# Allegro board com_v1_p3.brd (continued)
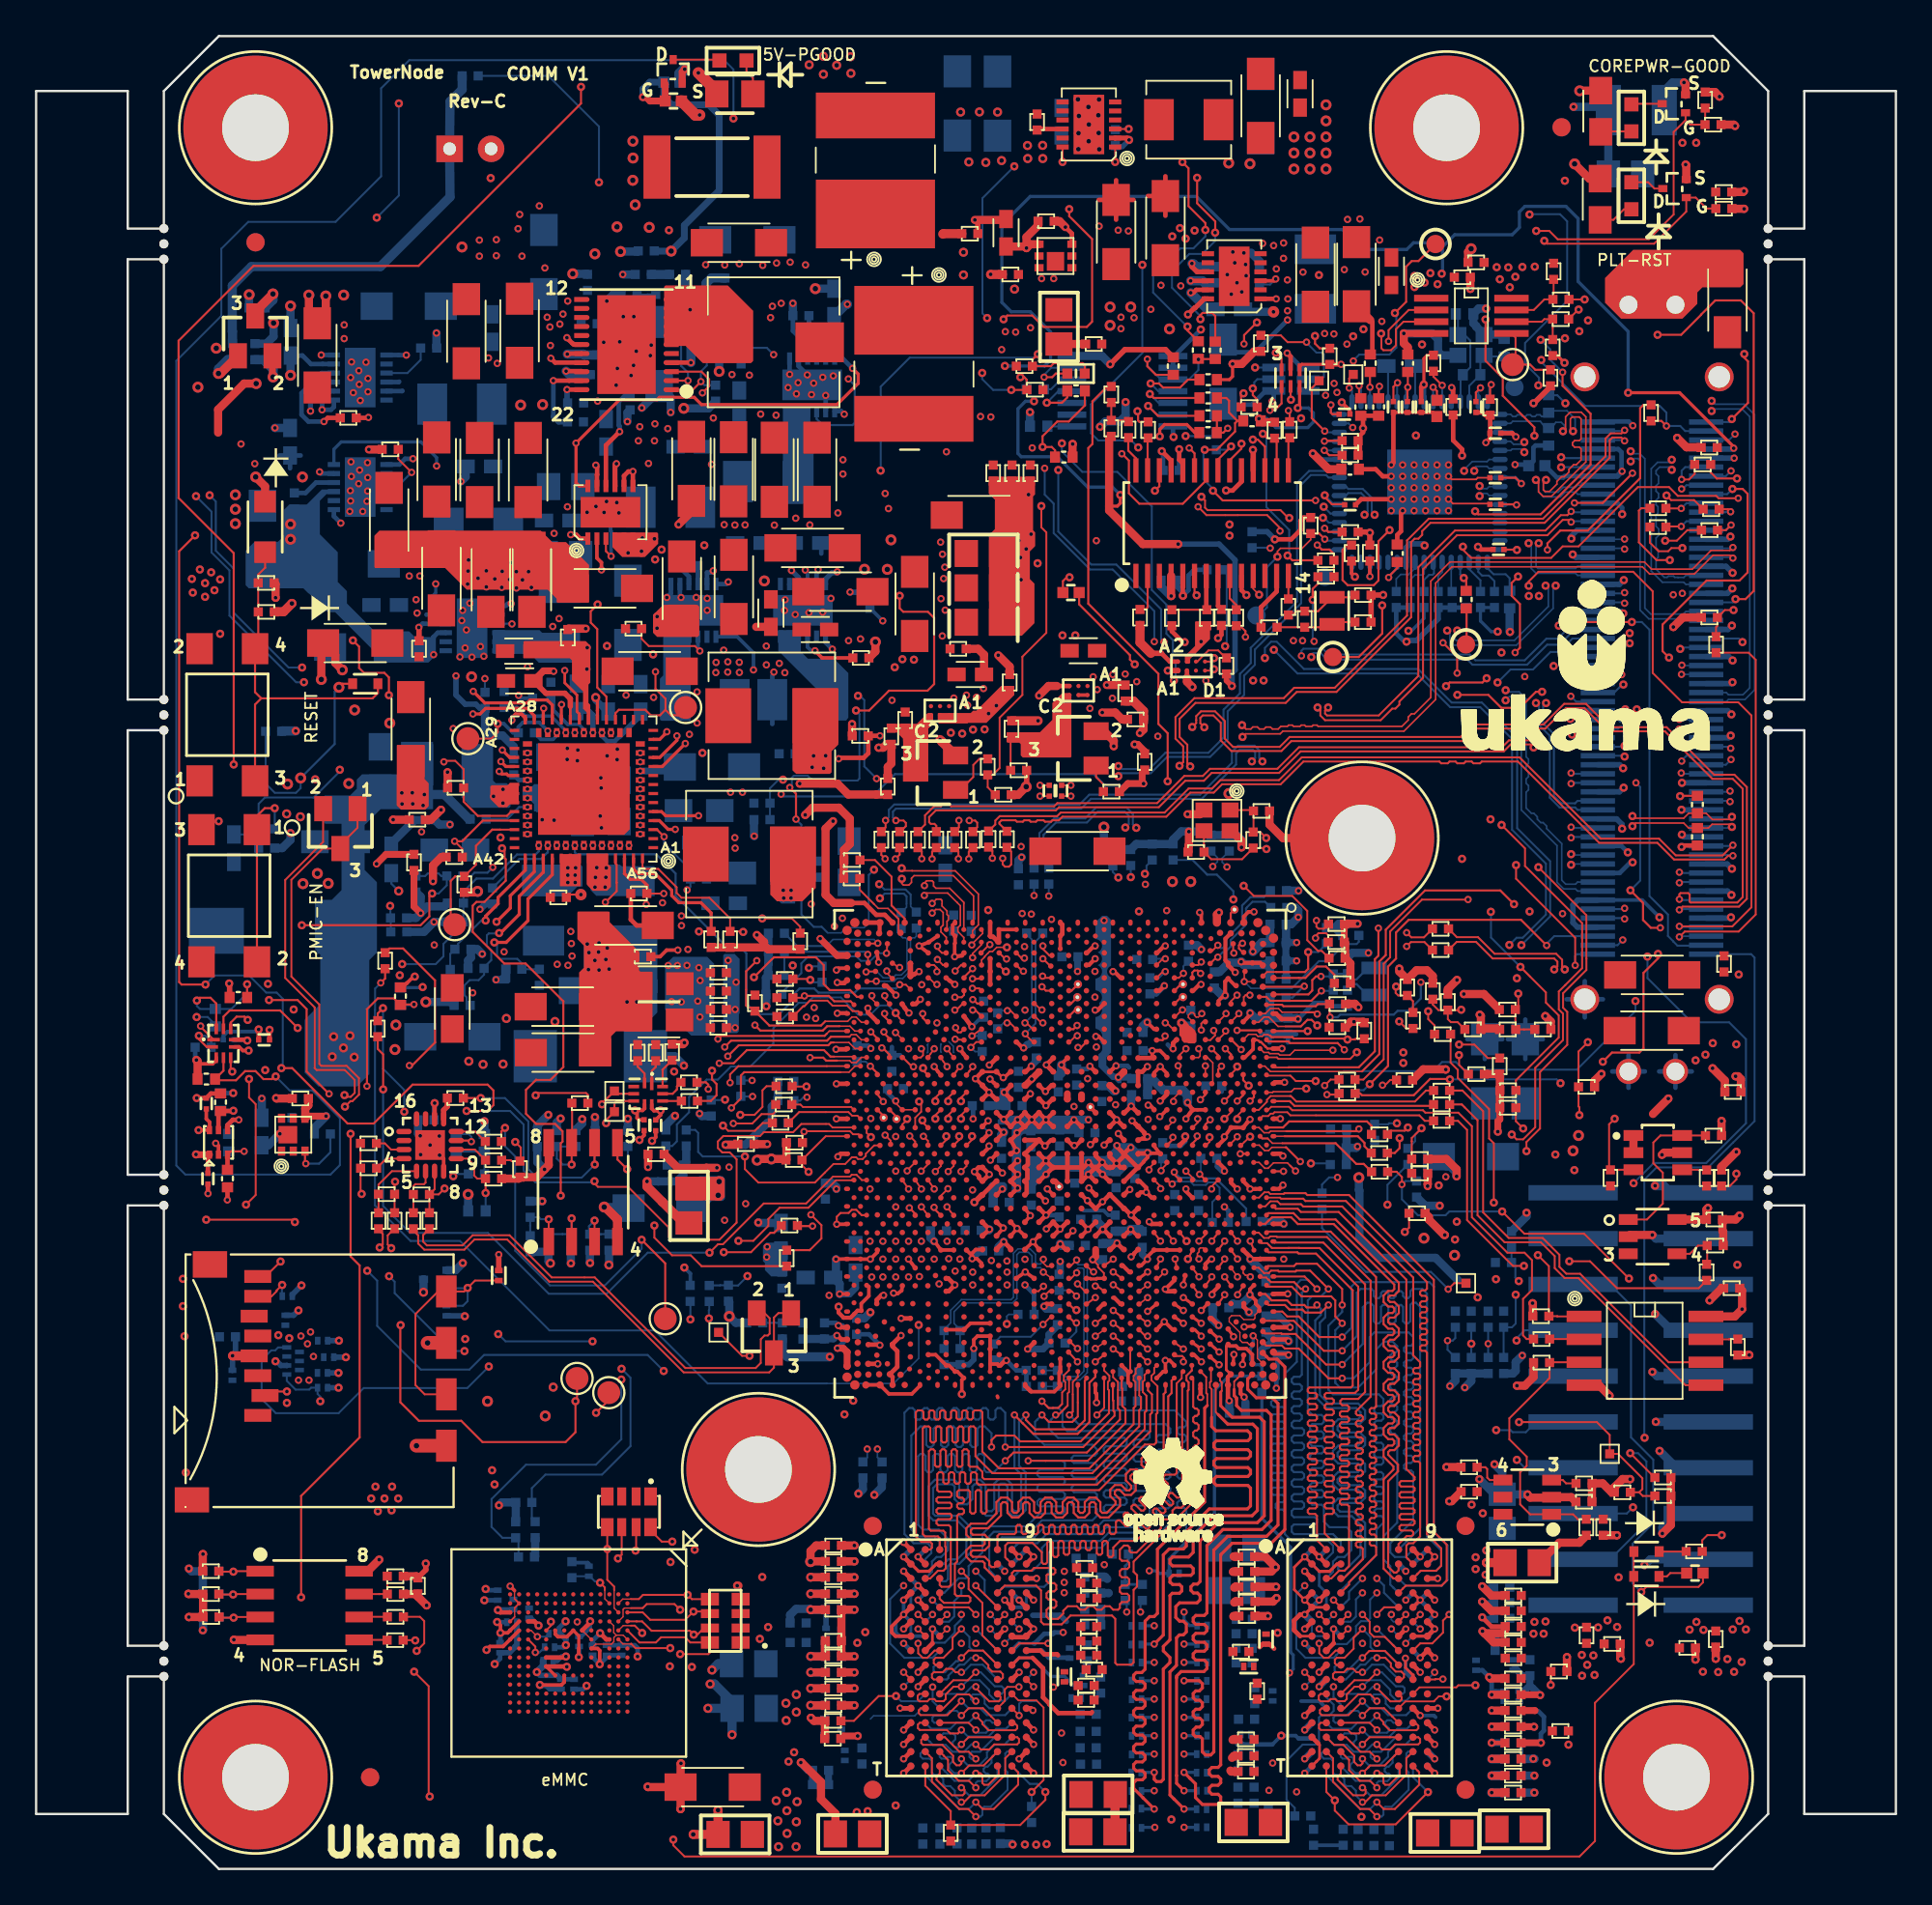
[diagram p0: board, top side]
## Routing (per net, layer and track width the routed paths; a pad name or vN(x,y) marks a point on that pad's centre or on a via; arc(x,y) is an arc through that point) (continued)
  vias: v2(14.54,27.09)
SD1_DATA3_V: length 50.2
  TOP w0.102: U3C1.BA26 48.71,40.32 v2(48.41,40.63)
  TOP w0.119: CN1.2 12.91,26.47 v1(13.9,26.47)
  L3_SIG1 w0.102: v1(23.74,28.71) 24.17,28.71 24.6,29.13 24.6,29.28 24.51,29.38 24.51,29.52 24.65,29.66 24.79,29.66 24.89,29.57 25.03,29.57 25.18,29.71 25.18,29.85 25.08,29.95 25.08,30.1 25.22,30.24 25.37,30.24 25.47,30.14 25.61,30.14 26.07,30.6 26.34,30.6 26.44,30.71 26.44,30.93 26.54,31.03 26.74,31.03 26.85,30.93 26.85,30.71 26.95,30.6 27.15,30.6 27.25,30.71 27.25,30.93 27.35,31.03 27.56,31.03 27.66,30.93 27.66,30.71 27.76,30.6 27.96,30.6 28.06,30.71 28.06,30.93 28.17,31.03 28.37,31.03 28.47,30.93 28.47,30.71 28.57,30.6 28.78,30.6 28.88,30.71 28.88,30.93 28.98,31.03 29.18,31.03 29.28,30.93 29.28,30.71 29.39,30.6 30.38,30.6 36.17,36.4 37.06,36.4 37.16,36.3 37.16,35.85 37.27,35.74 37.47,35.74 37.57,35.85 37.57,36.3 37.67,36.4 38.46,36.4 38.62,36.24 38.88,36.24 38.98,36.14 38.98,35.75 39.08,35.64 39.28,35.64 39.39,35.75 39.39,36.14 39.49,36.24 40.33,36.24 41.13,37.04 46.06,37.04 46.86,37.83 46.86,39.07 v2(48.41,40.63)
  L8_SIG4 w0.102: v1(19.56,32.86) 16.23,29.52 16.23,29.26 v2(15.37,28.41)
  BOTTOM w0.109: v1(19.56,32.86) 19.87,32.55 19.87,31.92 23.08,28.71 v1(23.74,28.71)
  vias: v1(13.9,25.84)
SDR_POWER_MON: length 22.7
  TOP w0.109: v2(91.06,51.66) 91.36,51.96 94.34,51.96 95.29,52.91 95.29,67.03 94.9,67.42 R11262.1
  BOTTOM w0.091: J20.63 91.1,51.71 v2(91.06,51.66)
SIO_SPI_CLK: length 2.4
  TOP w0.109: R11260.2 90.33,75.42 v2(91.16,75.42)
  BOTTOM w0.109: v2(91.16,75.42) 91.45,75.71 J20.111
SIO_SPI_CS#: length 2.4
  TOP w0.109: R3B20.2 93.64,74.21 v2(93.92,74.5)
  BOTTOM w0.109: J20.108 93.63,74.21 v2(93.92,74.5)
SIO_SPI_MISO: length 2.4
  TOP w0.109: R3B21.2 90.35,74.42 v2(91.16,74.42)
  BOTTOM w0.109: J20.109 91.45,74.71 v2(91.16,74.42)
SIO_SPI_MOSI: length 2.1
  TOP w0.109: v2(93.9,75.23) 93.76,75.38 R11259.2
  BOTTOM w0.109: J20.110 93.63,75.21 93.66,75.23 v2(93.9,75.23)
SMB_3P3_CLK: length 156.5
  TOP w0.109: R11133.2 84.95,87 v1(85.81,87) ; R1361.2 21.27,13.98 21.51,13.74 21.51,12.51 v1(21.09,12.09)
  L3_SIG1 w0.102: v1(85.81,87) 85.64,87.17 71.67,87.17 69.82,85.32 66.1,85.32 65.34,84.56 59.28,84.56 57.09,86.75 46.01,86.75 44.51,85.25 36.4,85.25 31.26,80.11 25.41,80.11 18.32,73.03 8.4,73.03 7.79,72.42 7.79,35.62 8.86,34.55 8.86,23.05 19.83,12.09 v1(21.09,12.09)
SMB_3P3_CLK_28098557: length 1.7
  TOP w0.119: v2(73.31,82.22) 73.31,81.62 R2M25.2
  BOTTOM w0.109: U2M2.34 73.42,82.11 v2(73.31,82.22)
SMB_3P3_DAT: length 152.8
  TOP w0.109: v1(21.01,12.67) 20.85,12.67 20.84,12.68 R1360.2 ; v1(85.48,86.44) 85.46,86.44 R11132.2
  L3_SIG1 w0.102: v1(85.48,86.44) 85,86.92 71.77,86.92 69.94,85.09 66.19,85.09 65.4,84.3 59.2,84.3 57,86.5 46.12,86.5 44.62,85 36.51,85 31.37,79.85 25.52,79.85 18.42,72.76 8.49,72.76 8.05,72.32 8.05,35.72 9.12,34.65 9.12,23.16 19.61,12.67 v1(21.01,12.67)
SMB_3P3_DAT_28098555: length 1.5
  TOP w0.119: v2(74.44,82.18) 74.4,82.14 R2M53.2
  BOTTOM w0.109: v2(74.44,82.18) 74.42,82.16 U2M2.36
SMB_ALERT_N: length 4.4
  TOP w0.102: 43.85,48.13 44.13,47.85 44.95,47.85 45.25,47.55 45.55,47.55 U3C1.BG11
  TOP w0.109: R2C1.2 42.51,47.82 42.57,47.82 42.88,48.13 43.85,48.13
SMB_SOC_CLK: length 66.7
  TOP w0.109: v2(42.58,48.39) 42.48,48.29 R2B34.2 ; v2(74.95,84.68) 74.95,85.3 76.07,86.42 U2A1.2
  TOP w0.119: U3C1.BH10 45.13,48.1 44.23,48.1 44.06,48.27 43.93,48.39 v2(42.58,48.39)
  L3_SIG1 w0.102: v1(41.93,50.08) 41.67,50.33 41.67,52.73 40.95,53.45 40.95,57.78 42.46,59.28 43.96,59.28 45.52,60.85 47.61,60.85 48.3,61.54 48.3,63.72 48.6,64.02 48.6,65.02 54.1,70.51 54.1,71.64 56.57,74.12 57.76,74.12 58.73,75.09 65.88,75.09 70.51,79.71 70.51,82.63 71.95,84.07 74.34,84.07 v2(74.95,84.68)
  L8_SIG4 w0.102: v1(41.93,50.08) 41.93,48.64 42.18,48.39 v2(42.58,48.39)
SMB_SOC_DAT: length 69.1
  TOP w0.089: 43.73,46.99 44.97,46.99 45.21,47.22 45.44,47.22 45.73,46.93 46.02,46.93
  TOP w0.109: U2A1.3 75.77,85.77 75.35,85.35 75.35,84.46 75.08,84.19 74.66,84.19 74.55,84.3 74.55,85.1 v1(74.53,85.11)
  TOP w0.119: U3C1.BG12 46.02,46.93 ; v2(39.94,50.35) 39.35,49.76 39.35,47.87 39.46,47.75 39.64,47.75 R2B33.2 40.63,46.75 43.5,46.75 43.73,46.99
  L5_SIG2 w0.099: v2(71.46,81.69) 71.46,83.95 72.03,84.53 v2(72.64,84.53)
  L8_SIG4 w0.086: 43.82,52.81 44.3,53.3 44.3,53.49
  L8_SIG4 w0.102: 44.3,53.49 44.3,54.11 46.8,56.61 48.52,56.61 49.41,57.49 49.41,59.3 54.62,64.51 54.62,66.99 57.09,69.46 57.55,69.46 64.03,75.94 64.03,76.23 64.99,77.19 67.48,77.19 71.17,80.88 71.17,81.4 v2(71.46,81.69) ; 43.82,52.81 42.73,51.73 41.32,51.73 v2(39.94,50.35) ; v2(72.64,84.53) 72.74,84.42 74.23,84.42 74.53,84.72 74.53,85.11 v1(74.53,85.11)
SOC_COREPWROK: length 187.4
  TOP w0.102: 68.72,49.72 68.21,49.72 U3C1.B7
  TOP w0.109: R10788.2 92.49,96.7 C2036.1 91.65,96.69 91.4,96.94 ; v1(83.13,90.8) 83.85,90.8 84.32,90.34 89.37,90.34 90.74,91.71 90.74,96.28 91.4,96.94 ; 91.4,96.94 Q137.G
  TOP w0.119: v1(80.32,85.89) 80.32,83.6 81.28,82.65 81.28,81.66 83.03,79.91 v1(83.03,79.44) ; 68.72,49.72 68.72,49.72 70.31,49.72 70.49,49.9 v1(70.49,50.83) ; U2B3.A53 32.1,56.02 32.1,55.74 32.17,55.67 32.17,54.68 32.17,54.67 32.17,54.2 31.56,53.59 v2(31.55,53.59)
  L3_SIG1 w0.102: v2(73.65,88.52) 75.92,90.8 v1(83.13,90.8)
  L3_SIG1 w0.119: v2(31.55,53.59) 34.64,50.5 36.75,50.5 37.8,51.55 37.8,64.07 v2(36.63,65.25) ; v2(73.65,88.52) 72.58,87.46 68.1,87.46 67.25,86.61 62.33,86.61 58.42,90.53 44.25,90.53 v2(42.64,88.92)
  L8_SIG4 w0.102: v1(83.03,79.44) 82.67,79.8 81.69,79.8 81.55,79.66 81.55,77.51 81.77,77.29 82.36,77.29 82.69,76.97 82.69,75.55 84.61,73.63 84.61,71.88 85.19,71.31 85.19,68.22 85.74,67.66 85.74,64.19 87.13,62.8 88.27,62.8 88.5,62.56 88.5,60.93 88.17,60.6 87.32,60.6 86.68,59.96 86.68,51.89 85.5,50.71 79.17,50.71 77.07,52.8 72.44,52.8 71.65,52.02 71.65,51.65 70.83,50.83 v1(70.49,50.83)
  L8_SIG4 w0.119: v2(73.65,88.52) 74.67,88.52 77.3,85.89 v1(80.32,85.89) ; v2(36.63,65.25) 36.12,65.76 36.12,67.75 36.5,68.13 37.74,68.13 39.33,69.73 39.33,71.17 40.08,71.91 40.08,76.46 39.03,77.5 39.03,85.57 42.38,88.92 v2(42.64,88.92)
  BOTTOM w0.109: C3B33.1 71.04,50.83 v1(70.49,50.83)
SOC_ETH_MDI0N: length 30.2
  L8_SIG4 w0.088: v1(79.99,76.66) 79.99,76.6 80.08,76.51 80.78,76.51 81.08,76.2 81.08,70.19 80.52,69.62 80.52,66.8 80.79,66.52 81.54,66.52 82.11,65.95 82.11,65.13 81.96,64.98 81.63,64.98 v1(81.43,64.78)
  BOTTOM w0.091: v1(79.99,76.66) 79.99,76.61 80.08,76.51 80.4,76.51 80.52,76.63 U2M2.57 ; J20.8 85.42,54.21 85.31,54.32 84.65,54.32 84.28,54.7 84.28,56.73 82.3,58.7 82.3,64.75 82.07,64.98 81.64,64.98 v1(81.43,64.78)
SOC_ETH_MDI0P: length 30.2
  L8_SIG4 w0.088: v1(79.99,76.1) 79.99,76.16 80.08,76.25 80.67,76.25 80.83,76.1 80.83,75.14 80.73,75.04 80.73,74.79 80.83,74.69 80.83,74.44 80.73,74.34 80.73,74.09 80.83,73.99 80.83,73.74 80.73,73.64 80.73,73.38 80.83,73.29 80.83,73.03 80.73,72.94 80.73,72.68 80.83,72.59 80.83,72.33 80.73,72.24 80.73,71.98 80.83,71.89 80.83,71.63 80.73,71.54 80.73,71.28 80.83,71.19 80.83,70.29 80.26,69.73 80.26,66.69 80.69,66.27 81.44,66.27 81.86,65.85 81.86,65.24 81.53,65.24 v1(81.43,65.34)
  BOTTOM w0.091: J20.9 85.42,54.71 85.31,54.59 84.76,54.59 84.54,54.81 84.54,56.84 83.71,57.68 83.71,57.81 83.51,58 83.38,58 83.19,58.19 83.19,58.32 82.99,58.52 82.86,58.52 82.57,58.81 82.57,59.69 82.7,59.82 82.7,60.05 82.57,60.18 82.57,60.42 82.7,60.55 82.7,60.78 82.57,60.91 82.57,61.15 82.7,61.28 82.7,61.52 82.57,61.65 82.57,64.86 82.18,65.25 81.52,65.25 v1(81.43,65.34) ; v1(79.99,76.1) 79.99,76.16 80.08,76.25 80.4,76.25 80.52,76.13 U2M2.58
SOC_ETH_MDI1N: length 42.6
  L8_SIG4 w0.088: v1(85.06,56.25) 85.21,56.1 85.55,56.1 85.78,55.87 85.78,53.09 84.86,52.17 79.39,52.17 78.66,52.89 78.66,54.65 79.47,55.46 79.47,69.69 79.38,69.77 77.94,69.77 77.56,70.15 77.56,73.76 78.94,75.14 78.94,75.79 79.3,76.14 79.3,77.34 v1(79.13,77.5)
  BOTTOM w0.091: v1(79.13,77.5) 79.13,77.57 79.58,78.01 80.4,78.01 80.52,78.13 U2M2.54 ; v1(85.06,56.25) 85.1,56.21 J20.12
SOC_ETH_MDI1P: length 42.5
  L8_SIG4 w0.088: v1(85.06,55.66) 85.23,55.83 85.43,55.83 85.52,55.74 85.52,55.39 85.43,55.3 85.43,55.04 85.52,54.95 85.52,54.69 85.43,54.6 85.43,54.34 85.52,54.25 85.52,53.99 85.43,53.9 85.43,53.64 85.52,53.55 85.52,53.19 85.24,52.91 85.11,52.91 84.92,52.73 84.92,52.59 84.77,52.43 84.45,52.43 84.36,52.53 84.1,52.53 84,52.42 83.89,52.42 83.8,52.52 83.54,52.52 83.45,52.42 83.21,52.42 83.12,52.52 82.86,52.52 82.77,52.42 82.51,52.42 82.42,52.52 82.16,52.52 82.07,52.42 81.81,52.42 81.72,52.52 81.46,52.52 81.37,52.42 81.11,52.42 81.02,52.52 80.76,52.52 80.67,52.42 80.41,52.42 80.32,52.52 80.06,52.52 79.96,52.42 79.49,52.42 79.32,52.6 79.32,52.76 79.13,52.95 78.97,52.95 78.92,53 78.92,54.55 79.13,54.76 79.26,54.76 79.46,54.96 79.46,55.09 79.72,55.35 79.72,56.08 79.82,56.18 79.82,56.43 79.72,56.53 79.72,56.78 79.82,56.88 79.82,57.13 79.72,57.23 79.72,57.48 79.82,57.58 79.82,57.83 79.72,57.93 79.72,69.79 79.49,70.03 78.74,70.03 78.63,70.13 78.39,70.13 78.28,70.03 78.04,70.03 77.82,70.25 77.82,71.16 77.95,71.29 77.95,71.51 77.82,71.64 77.82,71.86 77.95,71.99 77.95,72.21 77.82,72.34 77.82,72.94 77.91,73.02 77.91,73.29 77.82,73.38 77.82,73.65 78.07,73.9 78.2,73.9 78.38,74.08 78.38,74.21 78.56,74.4 78.69,74.4 78.88,74.58 78.88,74.71 79.2,75.03 79.2,75.68 79.55,76.03 79.55,77.36 v1(79.69,77.5)
  BOTTOM w0.091: v1(85.06,55.66) 85.1,55.71 J20.11 ; U2M2.55 80.52,77.63 80.4,77.75 79.78,77.75 79.69,77.66 v1(79.69,77.5)
SOC_ETH_MDI2N: length 36.3
  TOP w0.091: v1(93.97,57.76) 93.83,57.91 92.87,57.91 92.67,57.7 R11277.1 91.57,57.7 91.3,57.98 88.63,57.98 v1(88.46,57.8)
  L8_SIG4 w0.088: v1(88.46,57.8) 88.61,57.96 89.35,57.96 89.86,58.47 89.86,64.49 89.13,65.22 87.45,65.22 87.08,65.59 87.08,67.69 86.36,68.41 86.36,76.67 86.05,76.98 84.65,76.98 83.9,77.73 83.9,78.3 83.26,78.94 82.62,78.94 v1(82.47,79.09)
  BOTTOM w0.091: v1(93.97,57.76) 93.92,57.71 J20.75 ; v1(82.47,79.09) 82.35,78.97 81.87,78.97 81.71,79.13 U2M2.52
SOC_ETH_MDI2P: length 35.5
  TOP w0.091: v1(93.97,58.32) 93.83,58.17 92.89,58.17 92.55,58.52 R11279.1 91.57,58.52 91.3,58.24 88.58,58.24 v1(88.46,58.36)
  L8_SIG4 w0.088: v1(88.46,58.36) 88.61,58.21 89.25,58.21 89.61,58.57 89.61,64.38 89.03,64.96 87.34,64.96 86.83,65.48 86.83,67.58 86.11,68.3 86.11,76.57 85.95,76.73 84.54,76.73 83.64,77.63 83.64,78.2 83.16,78.69 82.62,78.69 v1(82.47,78.54)
  BOTTOM w0.091: J20.76 93.86,58.21 v1(93.97,58.32) ; U2M2.53 81.71,78.63 81.79,78.71 82.3,78.71 v1(82.47,78.54)
SOC_ETH_MDI3N: length 17.4
  TOP w0.091: v1(83.67,77) 83.52,76.85 83.52,76.45 83.61,76.36 83.87,76.36 84.27,76.77 84.27,76.92 84.53,77.17 84.68,77.17 84.94,77.43 84.94,77.58 85.2,77.84 85.35,77.84 85.61,78.1 85.61,78.72 85.52,78.81 85.26,78.81 85.14,78.93 85.14,79.06 85.26,79.18 85.52,79.18 85.61,79.27 85.61,80.38 85.51,80.48 85.12,80.48 85.02,80.38 85.02,79.84 v1(85.17,79.7)
  BOTTOM w0.091: v1(83.67,77) 83.52,76.85 83.52,76.46 83.66,76.32 84.35,76.32 84.62,76.59 85.31,76.59 85.42,76.71 J20.53 ; v1(85.17,79.7) 85.29,79.81 85.29,80.38 84.83,80.83 83.92,80.83 R11278.1 83.61,80.51 83.43,80.51 83.34,80.6 83.16,80.6 83.06,80.51 82.9,80.51 82.81,80.6 82.62,80.6 82.53,80.51 82.36,80.51 82.27,80.6 82.09,80.6 82,80.51 81.83,80.51 81.71,80.63 U2M2.49
SOC_ETH_MDI3P: length 17.6
  TOP w0.091: v1(84.61,79.7) 84.76,79.84 84.76,80.49 85.01,80.75 85.62,80.75 85.88,80.49 85.88,77.99 83.98,76.09 83.5,76.09 83.26,76.33 83.26,76.85 v1(83.11,77)
  BOTTOM w0.091: v1(83.11,77) 83.26,76.85 83.26,76.35 83.55,76.05 84.46,76.05 84.73,76.32 85.31,76.32 85.42,76.21 J20.52 ; U2M2.50 81.71,80.13 81.83,80.25 83.36,80.25 83.61,79.91 R11276.1 84.03,79.91 84.21,80.19 84.52,80.19 84.7,80.01 84.7,79.78 v1(84.61,79.7)
SOC_FLASH_CLK: length 24.1
  TOP w0.109: 79.04,43.15 80.18,42 80.18,36.39 81.6,34.98 83.48,34.98 84.41,34.04 84.41,33.38 84.8,32.99 85.56,32.99 90.46,28.09 U4C1.6
  TOP w0.119: 79.04,43.15 R10762.2
SOC_FLASH_CS0_N: length 17
  TOP w0.109: v1(82.45,33.43) 81.84,33.43 79.3,35.97 79.3,40.97 78.79,41.47 R10765.2 ; U4C1.1 84.3,30.63 84.29,30.64 R1N17.1 83.83,33.41 v1(83.22,34.02)
  L8_SIG4 w0.102: v1(82.45,33.43) 82.62,33.43 v1(83.22,34.02)
SOC_FLASH_HOLD_N: length 1.8
  TOP w0.109: U4C1.7 93.82,29.36 93.84,29.37 R1N4.1
SOC_FLASH_MISO: length 1.9
  TOP w0.109: U4C1.2 85.76,29.37 R10764.2
SOC_FLASH_MOSI: length 24.1
  TOP w0.109: 79.17,42.21 79.88,41.5 79.88,36.23 81.37,34.74 83.38,34.74 84.15,33.97 84.15,33.31 84.7,32.76 85.46,32.76 91.4,26.82 U4C1.5
  TOP w0.119: 79.17,42.21 79,42.38 R10763.2
SOC_FLASH_WP_N: length 16.2
  TOP w0.109: U4C1.3 83.89,28.09 R2M44.2 83.87,27.21 81.64,24.98 81.64,23.81 82.6,22.85 82.6,22.35 82.24,21.99 82.24,20.21 82.79,19.66 U253.1 85.17,19.66 85.44,19.39 R10805.2 R11274.2
SOC_GP_SSP_2_FS: length 41.2
  TOP w0.102: v2(49.06,37.69) 48.85,37.99 U3C1.BA30
  L5_SIG2 w0.102: v1(32.43,27.13) 33.34,28.04 39.8,28.04 42.06,30.29 42.06,36.12 42.89,36.96 47.17,36.96 47.45,37.24 48.6,37.24 v2(49.06,37.69)
  BOTTOM w0.109: v1(32.43,27.13) 32.43,23.82 31.02,22.41 27.14,22.41 25.24,20.5 25.24,18.96 25.84,18.35 R1A6.2 26.73,18.2 R1A11.1
SOC_GP_SSP_2_TXD: length 39.1
  TOP w0.102: U3C1.BC30 48.12,38.03 v2(48.35,37.69)
  TOP w0.109: v1(39.53,28.44) 39.12,28.44 TP2C3.1
  L5_SIG2 w0.086: 46.93,37.28 43.82,37.28
  L5_SIG2 w0.099: v1(32.44,27.72) 33.16,28.44 v1(39.53,28.44) 41.67,30.58 41.67,36.24 42.71,37.28 43.82,37.28
  L5_SIG2 w0.102: v2(48.35,37.69) 47.34,37.69 46.93,37.28
  BOTTOM w0.109: R1A10.1 27.47,19.44 R1A3.2 27.47,21.11 28.23,21.86 31.36,21.86 32.94,23.44 32.94,27.23 v1(32.44,27.72)
SOC_HDMI_DDSP_HPD: length 54.3
  TOP w0.109: v1(83.25,55.53) 85.91,52.87 85.91,50.46 85.91,49.83 84.62,48.54 84.62,47.74 84.85,47.51 84.85,45.68 83.34,44.17 83.34,41.05 82.59,40.3 v1(82.59,39.79)
  TOP w0.119: U3C1.D27 v2(66.73,39.64)
  L3_SIG1 w0.102: v1(84.09,66.68) 84.51,66.26 85.42,66.26 86.03,65.65 v1(87.96,65.65)
  L8_SIG4 w0.102: v1(84.09,66.68) 84.57,66.2 84.57,58.26 83.25,56.93 v1(83.25,55.53)
  L8_SIG4 w0.119: v2(66.73,39.64) 67.37,39.64 68.4,40.68 69.62,40.68 70.35,41.41 74.72,41.41 75.23,41.92 77.26,41.92 79.39,39.79 v1(82.59,39.79)
  BOTTOM w0.109: v1(87.96,65.65) 87.82,65.52 87.76,65.52 87.45,65.21 J20.30
SOC_HV_DDI2_DDC_SDA: length 20.3
  TOP w0.119: U3C1.A29 v2(69.12,38.67)
  L5_SIG2 w0.099: 69.51,38.29 74.81,32.98 79.87,32.98 81.02,31.83 v1(81.99,31.83)
  L5_SIG2 w0.102: 69.51,38.29 v2(69.12,38.67)
  BOTTOM w0.109: R1A7.1 R1A5.2 81.78,30.03 81.99,30.23 v1(81.99,31.83)
SOC_I2C1_SCL_1P8: length 166.7
  TOP w0.102: U3C1.BH24 44.14,41.1 43.94,41.29 43.77,41.29
  TOP w0.109: 43.77,41.29 42.41,41.29 41.95,40.84 40.33,40.84 40.11,40.63 38.08,40.63 37.78,40.33 37.78,39.96 38.02,39.72 38.44,39.72 38.82,39.34 38.82,35.83 37.87,34.88 35.21,34.88 35.05,35.04 35.05,35.56 32.8,37.81 31.13,37.81 30.94,38 v1(30.94,38.12)
  TOP w0.119: v1(54.54,82.69) 54.76,82.69 54.89,82.56 54.89,82.02 R1B32.2 54.89,81.99 v1(54.04,81.99) ; v1(23.85,42.02) 25.02,42.02 25.34,42.34 25.34,43.15 25.02,43.48 20.86,43.48 18.7,41.32 17.26,41.32 14.19,44.39 v1(13.59,44.39) ; v1(9.39,49.02) 8.06,49.02 7.93,49.16 7.93,73.04 v1(8.81,73.92)
  L3_SIG1 w0.102: v1(52.43,82.93) 52.43,85.69 v1(52.7,85.97)
  L8_SIG4 w0.102: v1(8.81,73.92) 8.81,74.38 10.04,75.61 10.04,79.64 11.46,81.06 11.46,85.81 12.3,86.65 12.3,88.22 21.82,97.74 49.87,97.74 50.81,96.79 53.31,96.79 54.21,95.89 v1(54.21,94.38)
  BOTTOM w0.109: v1(52.43,82.93) 52.43,82.59 53.03,81.99 v1(54.04,81.99) ; v1(30.94,38.12) 30.88,38.06 27.67,38.06 27.02,38.71 27.02,41.26 26.26,42.02 v1(23.85,42.02) ; v1(54.21,94.38) 52.44,92.61 52.44,86.23 v1(52.7,85.97) ; v1(13.59,44.39) 13.67,44.47 13.67,48.24 13.33,48.58 12.75,48.58 11.8,49.53 9.89,49.53 v1(9.39,49.02) ; R11490.2 54.89,82.56 54.76,82.69 v1(54.54,82.69)
SOC_I2C1_SDA_1P8: length 122.3
  TOP w0.102: v1(46.26,40.57) 46.02,40.8 U3C1.BG24
  TOP w0.119: v1(29.07,37.32) 29.07,38.05 29.07,40.22 29.17,40.32 29.17,40.89 28.76,41.3 27.71,41.3 27.15,41.86 27.15,43.18 27.7,43.74 28.51,43.74 29.22,44.45 29.22,48.1 27.12,50.19 25.94,50.19 24.19,51.94 24.19,53.4 24.4,53.6 24.85,53.6 26.03,54.78 26.03,55.97 25.96,56.04 25.96,56.44 v1(25.82,56.58) ; v1(17.55,68.1) 17.9,67.76 17.9,66.57 18.17,66.3 19.3,66.3 19.55,66.05 v1(19.55,65.06) ; R627.2 58.11,83.35 57.99,83.47 56.4,83.47 56.23,83.3 R1B31.2 55.21,83.66 v1(55.51,83.97)
  L3_SIG1 w0.102: v1(19.55,65.06) 19.87,65.06 24.62,60.31 24.62,57.4 25.45,56.58 v1(25.82,56.58) ; v1(46.8,77.51) 46.48,77.2 46.48,71.04 47.47,70.05 47.47,69.01 47.11,68.66 43.76,68.66 43.29,69.12 35.98,69.12 v1(34.19,67.33) ; v1(29.07,37.32) 31.17,37.32 31.64,37.8 31.64,38.9 32.04,39.3 38.54,39.3 40.12,37.72 43.41,37.72 v1(46.26,40.57)
  L5_SIG2 w0.099: v1(34.19,67.33) 34.19,67.16 34.01,66.98 28,66.98 26.72,68.26 17.72,68.26 v1(17.55,68.1)
  BOTTOM w0.109: v1(46.8,77.51) 46.8,77.52 46.8,82.17 48.41,83.78 55.32,83.78 v1(55.51,83.97)
SOC_I2C2_SCL_1P8: length 86.3
  TOP w0.102: 43.76,40.61 U3C1.BJ25
  TOP w0.109: 43.76,40.61 R1B24.2 42.44,39.01 v1(42.81,38.64) ; v1(69.45,74.89) 69.39,74.89 68.96,75.32 64.91,75.32 64.78,75.46 64.78,75.86 v1(64.57,76.06)
  L3_SIG1 w0.102: v1(64.57,76.06) 64.41,75.89 64.01,75.89 63.77,75.65 58.48,75.65 57.43,74.61 54.57,74.61 53.62,73.66 53.62,70.69 48.12,65.2 48.12,64.26 47.82,63.96 47.82,61.71 47.43,61.31 45.21,61.31 43.66,59.76 42.22,59.76 40.43,57.96 40.43,53.19 41.15,52.47 41.15,40.3 v1(42.81,38.64) ; v2(85.22,66.71) 84.71,66.71 82.36,69.06 73.81,69.06 69.45,73.43 v1(69.45,74.89)
  BOTTOM w0.109: v2(85.22,66.71) 85.22,66.71 J20.33
SOC_I2C2_SDA_1P8: length 87.5
  TOP w0.102: 43.8,40.89 45.1,40.89 45.27,40.72 45.57,40.72 U3C1.BG25
  TOP w0.109: R1B23.2 42.47,40.78 v2(42.55,40.87) 42.58,40.89 43.8,40.89 ; v2(64.39,75.51) 64.85,75.05 65.89,75.05 66.58,75.05 68.21,75.05 68.89,74.37 68.89,74.2 v2(68.93,74.17)
  L3_SIG1 w0.102: v2(87.86,66.21) 86.89,67.18 84.61,67.18 82.51,69.29 73.95,69.29 70,73.25 70,74.98 69.68,75.3 69.24,75.3 68.89,74.95 68.89,74.2 v2(68.93,74.17) ; v2(42.55,40.87) 41.41,42.01 41.41,52.61 40.7,53.32 40.7,57.87 42.34,59.51 43.82,59.51 45.39,61.08 47.52,61.08 48.07,61.63 48.07,63.85 48.36,64.14 48.36,65.11 53.85,70.6 53.85,73.56 54.66,74.38 57.63,74.38 58.67,75.43 64.31,75.43 v2(64.39,75.51)
  BOTTOM w0.109: J20.32 v2(87.86,66.21)
SOC_I2C_MB_INT_1P8: length 199.3
  TOP w0.089: U3C1.C17 68.09,44.5 68.29,44.3 68.3,44.3 68.4,44.21 73.47,44.21
  TOP w0.119: v2(81.96,67.43) 82.23,67.69 82.23,70.12 81.77,70.58 81.77,71.29 v1(82.12,71.64) ; 73.47,44.21 74.43,45.17 74.43,50.3 74.79,50.66 74.79,52.07 76.96,54.24 81.14,54.24 v1(81.9,53.48) ; v1(30.2,98.79) 30.2,97.87 21.19,88.86 12.05,88.86 7.9,84.71 7.9,76 10.95,72.94 v1(10.95,61.22) ; v1(11.73,47.06) 11.55,47.24 11.11,47.24 10.78,46.92 U9004.8
  L3_SIG1 w0.102: v1(82.76,91.71) 82.76,91.27 82.54,91.05 75.82,91.05 73.72,88.95 73.5,88.95 72.24,87.7 67.97,87.7 67.13,86.86 62.47,86.86 58.46,90.87 58.46,91.77 57.71,92.52 44.84,92.52 38.58,98.79 v1(30.2,98.79) ; v2(82.49,66.1) 81.92,65.52 v2(81.92,63.95) ; v1(11.73,47.06) 12.74,47.06 13.44,47.76 13.44,57.27 10.95,59.76 v1(10.95,61.22)
  L5_SIG2 w0.099: v1(83.25,82.24) 82.05,82.24 80.83,81.02 80.83,72.93 v1(82.12,71.64)
  L8_SIG4 w0.102: v1(81.9,53.48) 81.9,54.12 81.32,54.7 81.32,55.84 81.99,56.5 81.99,63.89 81.93,63.95 v2(81.92,63.95) ; v2(81.96,67.43) 82.49,66.89 v2(82.49,66.1)
  BOTTOM w0.109: v1(82.76,91.71) 82.77,91.72 84.45,91.72 84.84,91.33 84.84,86.92 82.51,84.59 82.51,83.43 83.28,82.66 83.28,82.27 v1(83.25,82.24)
SOC_I2C_SCL: length 30.6
  TOP w0.109: R2C12.2 40.79,41.35 40.27,41.35 40,41.08 39.99,41.08 39.83,40.92 38.35,40.92 v1(38.06,41.2) ; R1B14.2 23.62,56.54 v2(23.19,56.97)
  TOP w0.119: v2(23.19,56.97) 23.61,56.97 24.75,58.11 U2B3.A39
  L3_SIG1 w0.102: v1(38.06,41.2) 36.97,42.3 35.67,42.3 26.84,51.12 26.84,53.31 v2(23.19,56.97)
SOC_I2C_SDA: length 37.2
  TOP w0.109: v2(22.6,61.37) 22.65,61.43 23.22,61.43 23.69,60.96 R1B8.2 ; v2(38.63,41.32) 39.68,41.32 40.2,41.84 40.83,41.84 40.99,42 R2C9.2
  TOP w0.119: R1B8.2 23.69,59.16 24.48,58.37 26.09,58.37 26.33,58.61 U2B3.A38
  L3_SIG1 w0.119: v2(22.6,61.37) 22.93,61.37 24.22,60.07 24.22,57.26 27.13,54.35 27.13,51.2 35.67,42.66 37.29,42.66 v2(38.63,41.32)
SOC_ILB_SERIRQ: length 89.7
  TOP w0.086: 44.51,46.71 44.52,46.72 45.1,46.72 45.37,46.45 U3C1.BG13
  TOP w0.119: U3A6.3 69.02,83.73 v1(68.7,84.04) ; v1(47.85,70.58) 47.85,69.88 48.05,69.69 49.42,69.69 49.76,69.34 49.76,65.68 49.4,65.31 47.26,65.31 46.16,64.21 v1(45.44,64.21) ; v2(41.76,59.95) 42.11,59.6 v2(42.11,58.19) ; 44.51,46.71 43.84,46.71 43.59,46.47 40.14,46.47 v2(39.83,46.77)
  L3_SIG1 w0.102: v1(68.7,84.04) 67.47,84.04 67.13,83.7 67.13,82.99 67.84,82.28 67.84,81.49 67.56,81.2 63.84,81.2 62.26,82.78 60.85,82.78 59.63,81.56 59.63,78.16 58.13,76.66 49.88,76.66 48.05,74.83 48.05,70.77 v1(47.85,70.58)
  L8_SIG4 w0.102: v2(39.83,46.77) 40.67,46.77 41.24,47.34 41.24,50.43 41.56,50.75 44.35,50.75 46.16,52.56 46.16,55.12 v1(46.43,55.39)
  BOTTOM w0.086: 43.82,51.94 43.87,51.89 44.61,51.89 44.9,52.18 45.88,52.18 46.14,52.43 46.14,53.49
  BOTTOM w0.109: v1(45.44,64.21) 45.62,64.03 45.62,60.44 45.51,60.33 43.02,60.33 42.76,60.6 41.99,60.6 41.88,60.49 41.88,60.06 v2(41.76,59.95) ; v1(46.43,55.39) 46.14,55.1 46.14,53.49 ; 43.82,51.94 43.53,52.22 43.09,52.22 42.41,52.91 42.41,57.88 42.11,58.18 v2(42.11,58.19)
SOC_JTAG_TCK: length 46.2
  TOP w0.089: U3C1.D14 67.18,46.26 67.6,46.26 67.71,46.15 67.95,46.15 68.04,46.25 68.24,46.25 68.38,46.19
  TOP w0.119: 68.38,46.19 68.46,46.11 69.62,46.11 69.7,46.03 72.62,46.03 v1(72.67,45.98) 72.68,45.98 73.1,45.98 73.13,46.02 R3C5.1
  L5_SIG2 w0.099: v1(72.67,45.98) 74.31,45.98 75,45.28 75,40.43 76.07,39.37 81.37,39.37 85.37,35.38 85.37,25.79 83.91,24.33 v1(80.91,24.33)
  BOTTOM w0.109: J3321.9 83.12,24.78 82.55,24.21 81.82,24.21 81.7,24.33 v1(80.91,24.33)
SOC_JTAG_TDI: length 68.7
  TOP w0.102: v2(66.65,47.42) 66.65,47.39 U3C1.F12
  L3_SIG1 w0.102: v1(82.76,53.07) 82.33,52.64 75.7,52.64 74.54,51.48 74.54,50.62 72.99,49.07 70.98,49.07 70.46,48.54 69.46,48.54 67.96,47.04 67.1,47.04 66.73,47.42 v2(66.65,47.42) ; v1(94.35,49.58) 94.79,49.14 94.79,37.31 92.09,34.62 92.09,23.65 v1(88.49,20.04)
  L5_SIG2 w0.099: v1(82.76,53.07) 83.92,51.92 85.14,51.92 86.92,50.13 93.8,50.13 v1(94.35,49.58)
  BOTTOM w0.109: J3321.5 88.14,19.7 v1(88.49,20.04)
SOC_JTAG_TDO: length 40.5
  TOP w0.119: v2(65.14,45.47) 65.51,45.1 U3C1.G16
  L8_SIG4 w0.102: v1(82.04,29.29) 82.04,30.29 80.03,32.3 80.03,36.4 79.19,37.24 76.86,37.24 76.34,37.76 76.34,38.71 75.94,39.12 72.46,39.12 72.46,39.12 71.94,39.12 71.12,39.94 68.7,39.94 67.58,38.82 67.51,38.82 67.5,38.81 67.48,38.81 66.8,38.14 65.57,38.14 64.6,39.11 62.73,39.11 62.02,39.82 62.02,40.72 62.63,41.33 62.63,41.66 62.65,41.68 62.65,42.42 62.65,42.42 62.65,42.72 62.65,42.72 62.65,43.08 63.39,43.82 63.49,43.82 v2(65.14,45.47)
  BOTTOM w0.109: v1(82.04,29.29) 82.04,29.41 82.49,29.86 J3321.13
SOC_JTAG_TMS: length 49.5
  TOP w0.119: U3C1.F14 66.23,45.97 v2(66.78,45.42)
  L8_SIG4 w0.102: v2(66.78,45.42) 66.37,45.42 66.04,45.09 65.86,45.09 65.86,45.09 65.6,45.09 65.28,44.78 65.28,44.46 65.04,44.21 65.04,42.44 64.63,42.03 63.51,42.03 63.34,41.85 63.34,41.26 63.21,41.13 62.73,41.13 62.72,41.13 62.22,40.63 62.22,39.91 62.82,39.32 65.92,39.32 66.21,39.02 66.34,39.02 66.35,39.02 67.42,39.02 67.43,39.02 67.49,39.02 68.65,40.18 71.2,40.18 72.04,39.35 72.55,39.35 76.15,39.35 76.57,38.92 76.57,37.85 76.95,37.47 79.28,37.47 80.26,36.49 80.26,32.43 83.19,29.5 83.19,23.81 v1(82.05,22.68)
  BOTTOM w0.109: v1(82.05,22.68) 82.49,22.24 J3321.7
SOC_JTAG_TRST_N: length 55.8
  TOP w0.102: v2(65.94,47.42) 65.94,47.39 U3C1.G12
  TOP w0.109: R3B15.1 89.69,21.7 v1(88.34,23.05)
  L5_SIG2 w0.099: v1(88.34,23.05) 85.59,25.79 85.59,35.56 77.62,43.54 77.62,49.02 76.33,50.31 70.72,50.31 70.22,49.81 69.51,49.1
  L5_SIG2 w0.102: 69.51,49.1 68.28,47.88 66.4,47.88 v2(65.94,47.42)
  BOTTOM w0.109: v1(88.34,23.05) 88.77,23.05 89.23,22.59 89.23,19.17 87.22,17.16 J3321.3
SOC_LPC_AD0: length 58.5
  TOP w0.089: 44.22,45.03 45.28,45.03 U3C1.BH16
  TOP w0.119: U3A5.26 62.24,76.65 v1(62,76.4) ; 44.22,45.03 44.02,45.03 43.66,45.39 39.39,45.39 38.66,44.66 v2(37.86,44.66)
  L8_SIG4 w0.102: v1(62,76.4) 62,76.16 58.18,72.35 57.43,72.35 48.77,63.69 48.77,60.43 46.33,57.98 46.33,57.76 43.43,54.86 41.14,54.86 40.39,54.11 37.22,54.11 36.31,53.21 35.6,53.21 33.9,51.51 33.9,49.45 34.54,48.8 34.54,47.89 35.87,46.56 36.23,46.56 36.83,45.96 36.83,45.6 37.77,44.66 v2(37.86,44.66)
SOC_LPC_AD1: length 64.6
  TOP w0.102: 43.82,44.5 U3C1.BJ17
  TOP w0.109: 43.82,44.5 38.92,44.5 38.46,44.04 v2(38.46,43.58)
  TOP w0.119: U3A5.23 64.19,78.47 v2(63.9,78.76)
  L8_SIG4 w0.102: v2(38.46,43.58) 37.5,43.58 37.03,44.05 37.03,45.03 36.54,45.53 36.54,45.89 36.13,46.3 35.81,46.3 34.3,47.81 34.3,48.73 33.67,49.36 33.67,51.64 35.47,53.44 36.13,53.44 37.04,54.34 40.26,54.34 41.01,55.09 43.34,55.09 46.1,57.85 46.1,58.08 48.54,60.53 48.54,63.94 57.22,72.61 57.22,75.16 59.91,77.85 63.43,77.85 63.91,78.33 63.91,78.76 v2(63.9,78.76)
